# KiCad board OPDM.kicad_pcb (continued)
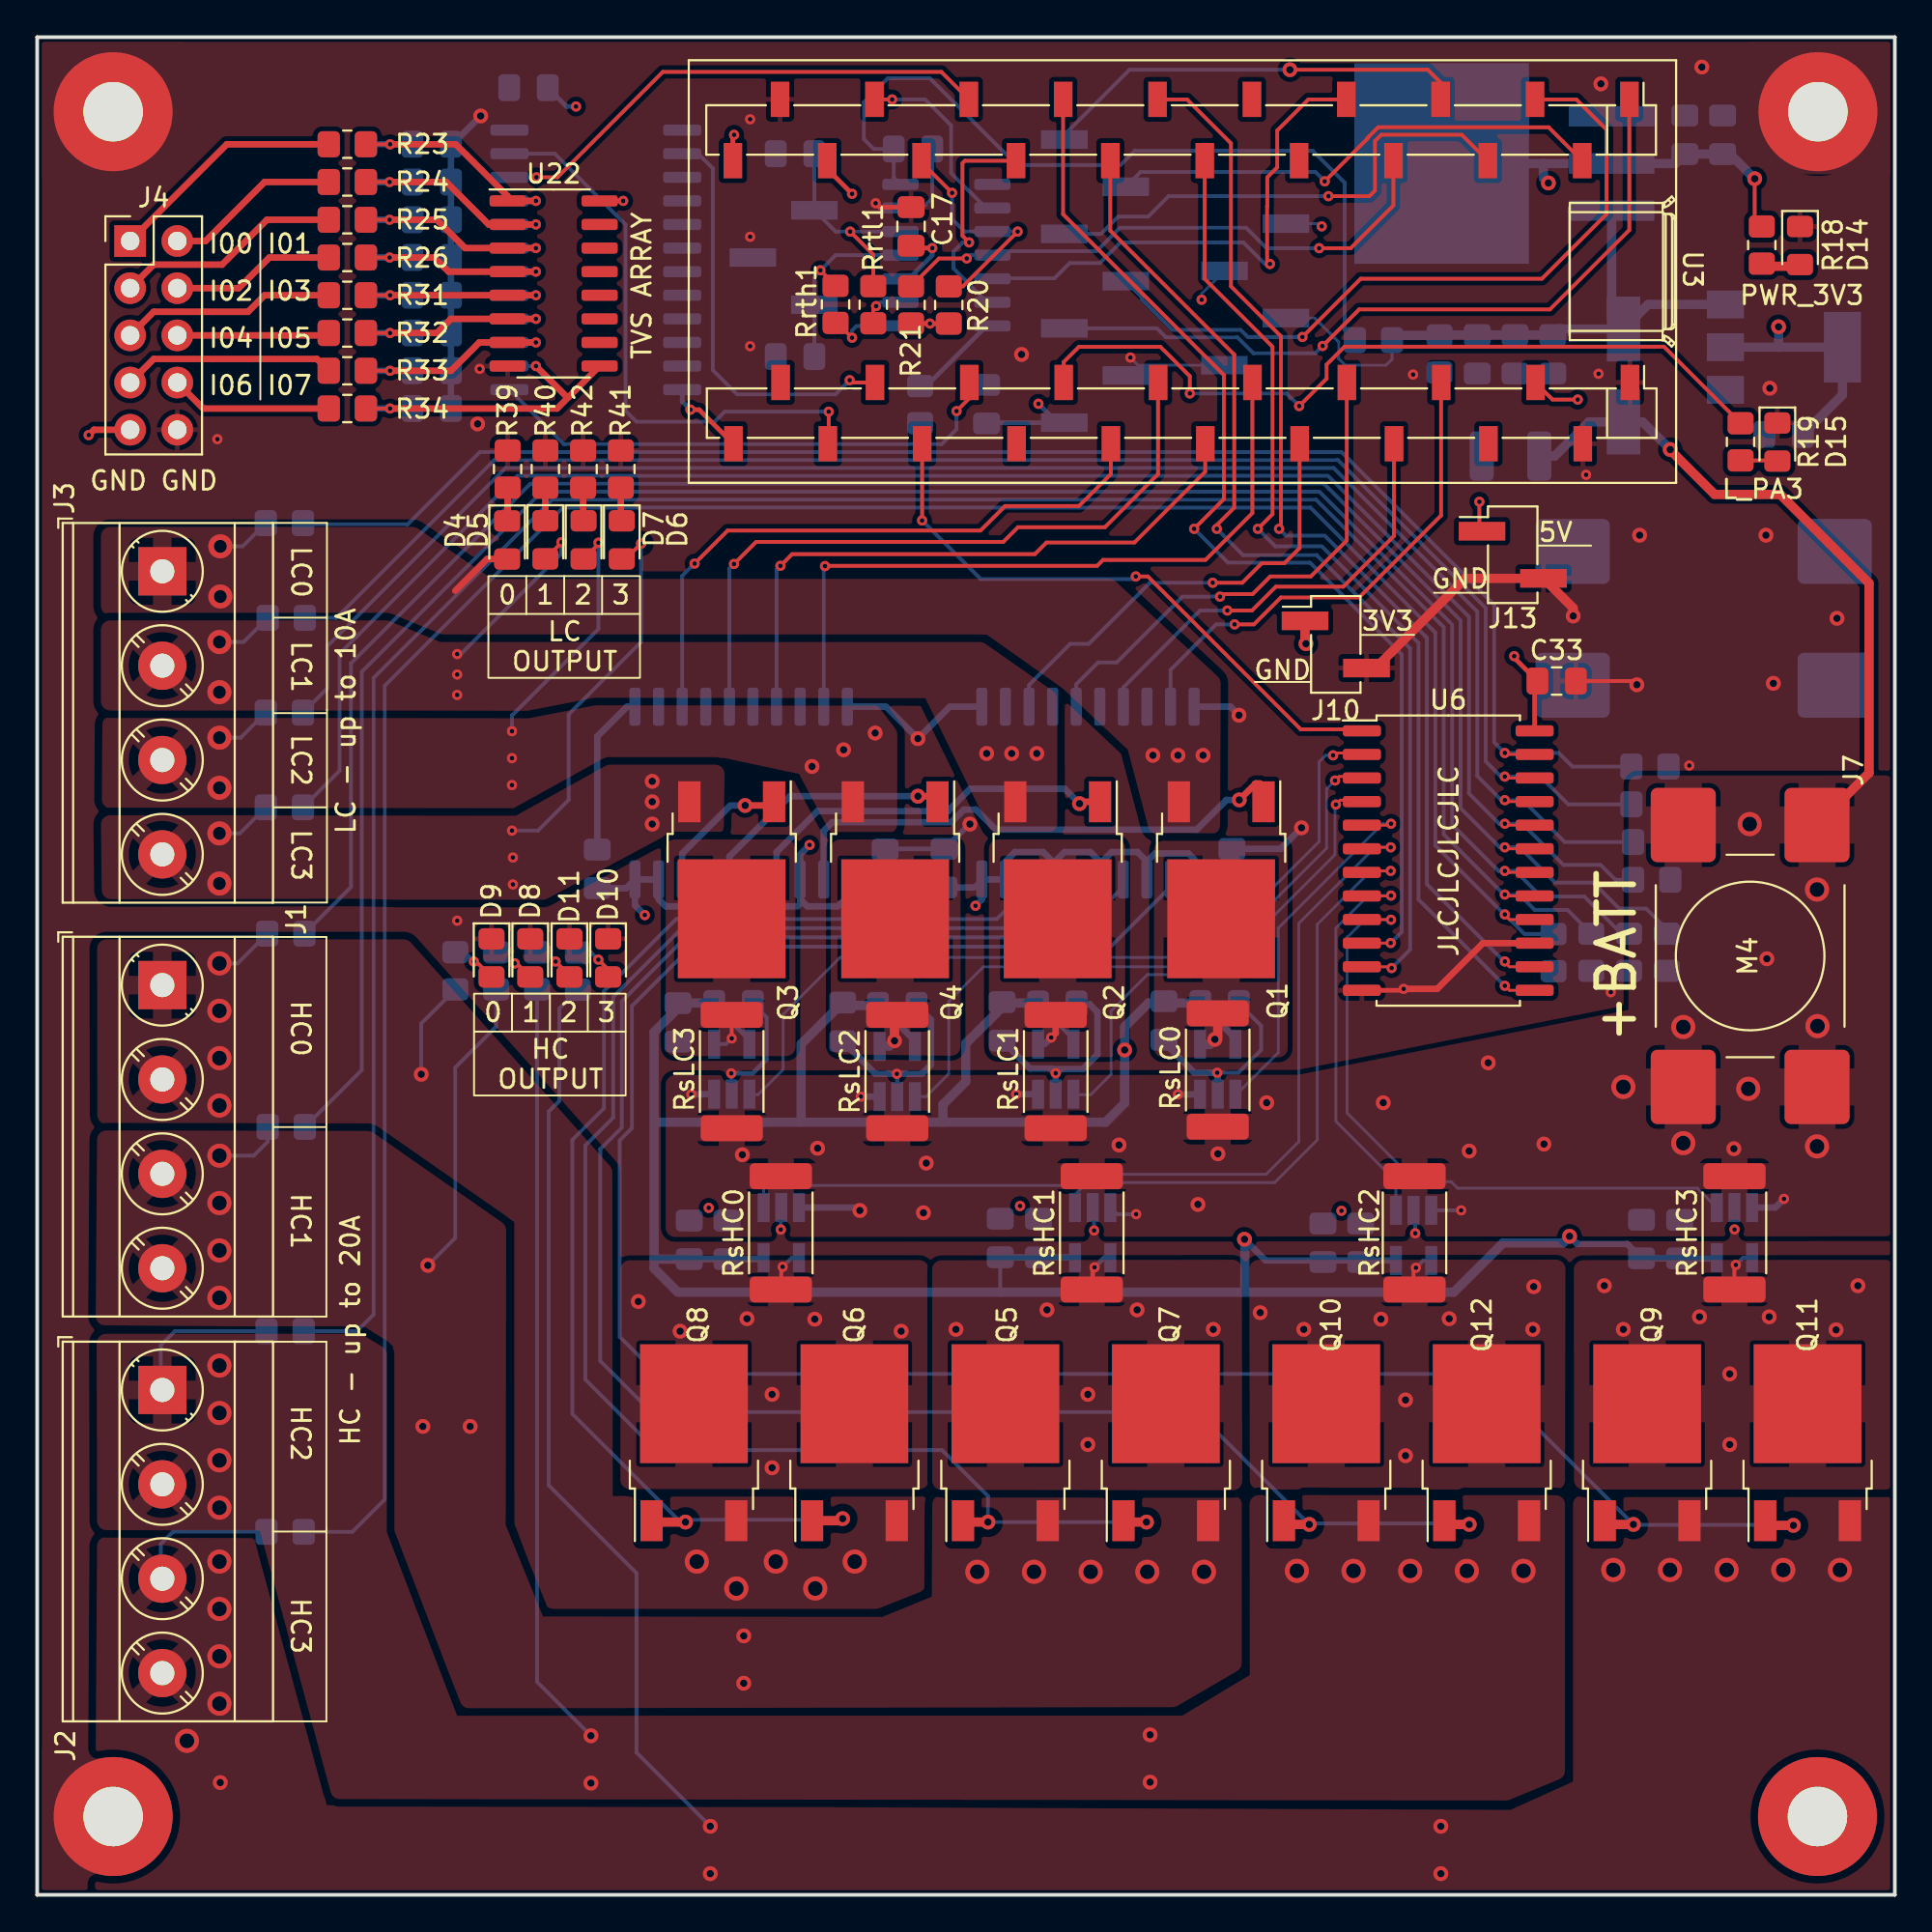
[diagram p0: board, top side]
## Nets
+3V3: C2.1 C7.1 C8.1 C9.1 C10.1 C11.1 C12.1 C13.1 C14.1 C18.1 C29.1 C33.1 C34.1 C35.1 C36.1 C37.1 C38.1 C39.1 C40.1 C41.1 J4.9 J5.1 J10.1 R18.2 R20.2 R21.2 U1.2 U3.20 U3.21 U3.38 U5.24 U6.24 U9.5 U10.5 U11.5 U12.5 U13.5 U14.5 U15.5 U16.5 U22.16
+5V: C4.1 C17.1 C23.1 J5.2 J9.1 J13.1 U2.10 U3.18 U4.2
+12V: C1.1 C3.1 C28.1 D13.1 J5.3 R1.1 Rp1.2 U1.3 U4.3
GND: C1.2 C2.2 C3.2 C4.2 C5.2 C6.2 C7.2 C8.2 C9.2 C10.2 C11.2 C12.2 C13.2 C14.2 C15.1 C16.1 C17.2 C18.2 C19.2 C20.2 C21.2 C22.2 C23.2 C24.2 C25.2 C26.2 C27.2 C28.2 C29.2 C30.1 C31.2 C32.2 C33.2 C34.2 C35.2 C36.2 C37.2 C38.2 C39.2 C40.2 C41.2 D8.1 D9.1 D10.1 D11.1 D12.1 D14.1 D15.1 H1.1 H2.1 H3.1 H4.1 J4.10 J5.4 J6.2 J8.1 J9.2 J10.2 J13.2 R4.2 R5.2 R8.2 R9.2 R12.2 R13.2 R16.2 R17.2 R27.2 R28.2 R29.2 R30.2 R35.2 R36.2 R37.2 R38.2 R39.1 R40.1 R41.1 R42.1 Rp1.1 Rs1.1 U1.1 U2.13 U3.19 U3.39 U3.40 U4.1 U5.12 U5.13 U5.15 U6.12 U6.15 U7.1 U7.10 U8.1 U8.10 U9.2 U10.2 U11.2 U12.2 U13.2 U14.2 U15.2 U16.2 U22.8
+BATT: C5.1 C6.1 C31.1 C32.1 D12.2 D13.2 J7.1 RsHC0.1 RsHC1.1 RsHC2.1 RsHC3.1 RsLC0.1 RsLC1.1 RsLC2.1 RsLC3.1 U7.11 U7.13 U7.15 U7.17 U7.19 U7.20 U8.11 U8.13 U8.15 U8.17 U8.19 U8.20 U9.3 U10.3 U11.3 U12.3 U13.3 U14.3 U15.3 U16.3
/INTERNAL_LED: U3.22
/PA2: U3.27
/RST: U3.37
/SENSE-_HC0: Q6.2 Q8.2 RsHC0.2 U14.4
/SENSE-_HC1: Q5.2 Q7.2 RsHC1.2 U13.4
/SENSE-_HC2: Q10.2 Q12.2 RsHC2.2 U16.4
/SENSE-_HC3: Q9.2 Q11.2 RsHC3.2 U15.4
/SENSE-_LC0: Q1.2 RsLC0.2 U9.4
/SENSE-_LC1: Q2.2 RsLC1.2 U10.4
/SENSE-_LC2: Q4.2 RsLC2.2 U11.4
/SENSE-_LC3: Q3.2 RsLC3.2 U12.4
/STATUS_LED: R19.2 U3.28
CANB_EN: U2.6 U3.14
CANB_ERR: R21.1 U2.4 U3.6
CANB_RX: R20.1 U2.3 U3.16
CANB_STB: U2.5 U3.7
CANB_TX: U2.2 U3.17
CANC_INTERRUPT: J9.7 U3.5
CURRENT_SENS_HC0: U6.6 U14.1
CURRENT_SENS_HC1: U6.7 U13.1
CURRENT_SENS_HC2: U6.8 U16.1
CURRENT_SENS_HC3: U6.9 U15.1
CURRENT_SENS_LC0: U6.5 U9.1
CURRENT_SENS_LC1: U6.4 U10.1
CURRENT_SENS_LC2: U6.3 U11.1
CURRENT_SENS_LC3: U6.2 U12.1
CURRENT_VOLTAGE_SENS: U3.25 U6.1
GATE_HC0: Q6.1 Q8.1 U7.18
GATE_HC0_SIG: U3.34 U7.5
GATE_HC1: Q5.1 Q7.1 U7.16
GATE_HC1_SIG: U3.33 U7.3
GATE_HC2: Q10.1 Q12.1 U7.14
GATE_HC2_SIG: U3.36 U7.9
GATE_HC3: Q9.1 Q11.1 U7.12
GATE_HC3_SIG: U3.35 U7.7
GATE_LC0: Q1.1 U8.12
GATE_LC0_SIG: U3.29 U8.3
GATE_LC1: Q2.1 U8.14
GATE_LC1_SIG: U3.30 U8.5
GATE_LC2: Q4.1 U8.16
GATE_LC2_SIG: U3.31 U8.7
GATE_LC3: Q3.1 U8.18
GATE_LC3_SIG: U3.32 U8.9
INPUT_00: J4.1 R23.1
INPUT_01: J4.2 R24.1
INPUT_02: J4.3 R25.1
INPUT_03: J4.4 R26.1
INPUT_04: J4.5 R31.1
INPUT_05: J4.6 R32.1
INPUT_06: J4.7 R33.1
INPUT_07: J4.8 R34.1
INPUT_PIN00: C19.1 R23.2 R27.1 U5.9 U22.1
INPUT_PIN01: C20.1 R24.2 R28.1 U5.8 U22.2
INPUT_PIN02: C21.1 R25.2 R29.1 U5.7 U22.3
INPUT_PIN03: C22.1 R26.2 R30.1 U5.6 U22.4
INPUT_PIN04: C24.1 R31.2 R35.1 U5.5 U22.5
INPUT_PIN05: C25.1 R32.2 R36.1 U5.4 U22.6
INPUT_PIN06: C26.1 R33.2 R37.1 U5.3 U22.7
INPUT_PIN07: C27.1 R34.2 R38.1 U5.2 U22.9
LOAD_HC0: J1.1 J1.2 Q6.3 Q8.3 R11.1 R44.2
LOAD_HC1: J1.3 J1.4 Q5.3 Q7.3 R10.1 R43.2
LOAD_HC2: J2.1 J2.2 Q10.3 Q12.3 R15.1 R46.2
LOAD_HC3: J2.3 J2.4 Q9.3 Q11.3 R14.1 R45.2
LOAD_LC0: D4.2 J3.1 Q1.3 R2.1
LOAD_LC1: D5.2 J3.2 Q2.3 R3.1
LOAD_LC2: D7.2 J3.3 Q4.3 R7.1
LOAD_LC3: D6.2 J3.4 Q3.3 R6.1
MUX_CUR_SENSE_A0: U3.13 U6.10
MUX_CUR_SENSE_A1: U3.12 U6.11
MUX_CUR_SENSE_A2: U3.11 U6.14
MUX_CUR_SENSE_A3: U3.10 U6.13
MUX_INPUTS_A0: U3.15 U5.10
MUX_INPUTS_A1: U3.23 U5.11
MUX_INPUTS_A2: U3.24 U5.14
O_CANBH: C30.2 J6.3 Rrth1.2 U2.11
O_CANBL: C16.2 J6.1 Rrtl1.2 U2.12
PDM_AD_INPUTS: U3.26 U5.1
SPI_CANC_SS: J9.3 U3.1
SPI_MISO: J9.4 U3.3
SPI_MOSI: J9.5 U3.4
SPI_SCLK: J9.6 U3.2
USB+: U3.9
USB-: U3.8
V_SENSE_HC0: R11.2 R13.1 U6.19
V_SENSE_HC1: R10.2 R12.1 U6.18
V_SENSE_HC2: R15.2 R17.1 U6.17
V_SENSE_HC3: R14.2 R16.1 U6.16
V_SENSE_LC0: R2.2 R4.1 U6.23
V_SENSE_LC1: R3.2 R5.1 U6.22
V_SENSE_LC2: R7.2 R9.1 U6.21
V_SENSE_LC3: R6.2 R8.1 U6.20
Net-(C15-Pad2): C15.2 R1.2 U2.14
Net-(D4-Pad1): D4.1 R39.2
Net-(D5-Pad1): D5.1 R40.2
Net-(D6-Pad1): D6.1 R41.2
Net-(D7-Pad1): D7.1 R42.2
Net-(D8-Pad2): D8.2 R43.1
Net-(D9-Pad2): D9.2 R44.1
Net-(D10-Pad2): D10.2 R45.1
Net-(D11-Pad2): D11.2 R46.1
Net-(D14-Pad2): D14.2 R18.1
Net-(D15-Pad2): D15.2 R19.1
Net-(Rrth1-Pad1): Rrth1.1 U2.8
Net-(Rrtl1-Pad1): Rrtl1.1 U2.9
Net-(Rs1-Pad2): Rs1.2 U2.7

Pads without a net: U2 1; U5 16 17 18 19 20 21 22 23; U7 2 4 6 8; U8 2 4 6 8; U22 10 11 12 13 14 15

## Via types
v1: diameter 0.55, hole 0.25, Top to Bottom, 142 vias
v2: diameter 0.8, hole 0.4, Top to Bottom, 110 vias
v3: diameter 1.3, hole 0.8, Top to Bottom, 45 vias
v4: diameter 1.3, hole 0.7, Top to Bottom, 8 vias

## Routing (per net, layer and track width the routed paths; a pad name or vN(x,y) marks a point on that pad's centre or on a via; arc(x,y) is an arc through that point)
+3V3: length 209.5
  Top w0.203: v2(92.46,92.38) 92.46,90.19 R18.2 ; v1(82.93,80.49) 81.57,80.49 80.66,81.41
  Top w0.25: U6.24 80.61,65.19 C33.1 79.51,66.59 v1(79.51,66.68) ; 37.48,78.11 35.64,79.95 v1(35.17,79.95) ; U22.16 v1(31.55,91.19) ; R21.2 v1(48.06,84.58) R20.2 ; 37.52,94.61 v1(37.52,94.74) 37.45,94.54 37.45,93.35
  Top w0.35: v1(2.77,78.58) 3.06,78.87 J4.9
  Top w0.5: v2(68.3,67.35) 68.25,67.4 J10.1
  Bottom w0.15: J5.1 69.01,89.96 v1(69.15,89.82)
  Bottom w0.203: 90.38,34.26 U15.5 ; C9.1 55.78,46.05 U10.5 ; 88.41,34.26 C38.1 ; 51.84,32.46 C34.1 51.85,34.32 ; 55.85,34.32 U13.5 ; U9.5 64.5,46.09
  Bottom w0.25: v1(35.17,79.95) 34.72,80.39 U5.24 ; C18.1 28.5,96.27 v1(29.01,96.27) ; 36.45,47.9 38.34,46.02 U12.5 ; 39.03,34.22 U14.5
  Bottom w0.35: C38.1 90.38,34.26 ; C35.1 C37.1 39.03,34.22 ; U11.5 47.25,45.97 45.34,47.88 C14.1 ; 51.85,34.32 C36.1 55.85,34.32 ; 88.41,34.26 C40.1 85.58,35.04 82.9,35.04 v2(82.49,35.45) ; v2(64.99,35.29) 66.13,34.15 U16.5 ; 64.5,46.09 C11.1
  Bottom w0.5: 33.21,34.22 C35.1 ; 57.52,41.59 38.86,41.59 ; 41.12,41.59 41.12,45.8 43.21,47.88 45.22,47.88 ; 62.49,48.01 59.82,48.01 58.54,46.73 v2(58.54,45.48) 58.54,42.62 57.51,41.59 ; 64.86,32.44 76.26,32.44 78.91,35.09 82.13,35.09 v2(82.49,35.45) ; 48.76,41.59 48.76,42.55 49.99,43.77 49.99,45.83 51.18,47.02 51.19,47.02 52.17,48.01 53.75,48.01 ; 81.08,93.2 U1.2 ; 81.08,93.2 U1.2 88.19,93.2 88.7,93.71 91.13,93.71 v2(92.46,92.38) ; 81.08,93.2 81.08,92.42 v2(81.35,92.15) ; 39.11,41.59 33.31,41.59 ; 34.45,32.48 33.21,33.72 33.21,46.45 34.77,48.01 36.35,48.01 ; v2(64.99,35.29) 65.01,35.27 65.01,32.49 ; 34.51,32.44 64.81,32.44
+5V: length 27.5
  Top w0.203: J13.1 77.64,73.55 v1(77.64,74.99)
  Top w0.25: v1(48.18,88.65) 47.17,88.65 47.04,88.77 ; v1(43.87,91.57) 42.53,92.91 42.53,93.35
  Bottom w0.15: J5.2 62.69,86.19 v1(62.69,85.86)
  Bottom w0.25: v1(48.18,88.65) 48.18,88.27 46.91,87 U2.10 ; 51.74,79.2 51.78,79.25 54.91,79.25 54.91,79.25 v1(53.9,80.26)
  Bottom w0.5: 93.74,83.31 U4.2 97.18,80.75 C4.1 ; 93.74,83.31 v2(93.74,84.41) ; 93.74,83.31 U4.2
+12V: length 33.8
  Bottom w0.15: J5.3 68.77,84.88 70.06,83.59 70.06,82.69 70.41,82.34 72.61,82.34 72.93,82.66 R1.1
  Bottom w0.5: D13.1 84.75,84.93 U1.3 ; D13.1 86.72,85.61 U4.3 ; D13.1 81.9,84.29 C28.1 C1.1 C3.1 75.51,83.97 Rp1.2 73.19,83.95 R1.1
GND: length 131.8
  Top w0.203: v2(86.11,65.14) 85.91,65.34 C33.2
  Top w0.25: v1(73.56,48.77) 73.48,48.69 U6.12 ; C17.2 45.35,90.85 v1(45.14,91.06)
  Top w0.35: v1(73.56,48.77) 75.36,48.77 77.82,51.23 U6.15
  Top w0.5: J10.2 72.05,66.04 76.88,70.87 J13.2 82.69,69.27 v2(82.69,68.84)
  Bottom w0.15: v1(58.85,82.75) 59.27,82.34 J5.4
  Bottom w0.203: v1(37.36,44.22) 37.39,44.2 U12.2 ; C11.2 65.89,46.78 65.89,45.48 64.66,44.25 v1(63.52,44.25) ; U13.2 56.9,36.92 v1(56.9,35.76) ; 39.27,44.98 39.27,47.24 C13.2 ; v1(46.28,44.2) 46.3,44.18 U11.2 ; C15.1 48.18,91.34 47.65,90.8 46.47,90.8 ; v1(74.18,35.61) 74.18,36.76 U16.2 ; U14.2 40.03,36.97 v1(40.03,35.81)
  Bottom w0.25: C31.2 50.16,57.64 v2(50.21,57.64) 48.87,56.3 45.68,56.3 C32.2 ; v1(37.36,44.22) 38.51,44.22 39.27,44.98 ; 46.47,90.8 45.39,90.8 v1(45.14,91.06)
  Bottom w0.35: U8.10 45.69,63.96 v2(47.41,62.24) 49.13,63.96 U7.1 ; v1(54.83,44.23) 54.58,44.48 53.45,44.48 C7.2 ; v1(54.83,44.23) 54.61,44.45 56.28,44.45 57.07,45.24 57.07,47.52 56.64,47.96 C9.2 ; v1(54.83,44.23) U10.2 ; C27.2 C26.2 C25.2 C24.2 C22.2 C20.2 C19.2 22.28,94.43 ; v2(64.69,63.5) 64.23,63.96 U7.10 ; C8.2 60.66,45.89 62.29,44.25 v1(63.52,44.25) 63.55,44.23 U9.2 ; C6.2 66.92,56.3 v2(68.06,57.44) ; U8.1 31.75,63.96 30.15,62.36 C5.2 ; C12.2 45.12,44.2 v1(46.28,44.2) 47.63,44.2 48.11,44.68 48.11,47.1 C14.2 ; 22.55,94.43 v2(23.88,95.76)
  vias: v1(9.7,78.36) v1(22.61,52.44) v1(23.82,82.14) v1(36.15,36.98) v1(38.38,95.58) v1(38.38,89.26) v1(38.38,83.36) v1(52.91,37.08) v1(70.21,36.82) v1(74.07,81.84) v1(83.38,76.44) v1(84.05,81.88) v1(84.71,48.59) v1(88.94,60.79) v1(91.37,35.82) v2(23.71,79.18) v2(52.99,82.92) v2(84.18,97.49) v2(86.26,73.19) v2(89.61,98.39) v2(93.06,73.19) v2(93.27,81.1) v2(93.46,65.22) v2(96.89,68.72)
+BATT: length 106.1
  Top w0.5: v2(87.91,77.8) 87.91,77.77 90.3,75.39 93.83,75.39 98.61,70.61 98.61,60.39 J7.1
  Bottom w0.203: v1(59.16,36.64) 59.15,36.63 58.13,36.63 U13.3 ; v1(76.65,36.85) U16.3
  Bottom w0.25: 48.78,54.19 C31.1 ; 57.2,55.5 U7.15 57.2,55.63 ; 54.66,55.5 U7.17 54.66,55.63 ; U7.19 52.12,55.63 ; 41.07,53.34 40.95,53.21 ; 50.42,54.23 U7.20 ; U8.15 38.53,53.66 ; 43.61,53.72 U8.11
  Bottom w0.35: v1(94.03,37.47) 93.56,37 U15.3 ; 59.74,55.63 U7.13 ; 59.74,55.63 60.18,56.06 61.97,56.06 62.28,55.75 U7.11 62.71,54.23 C6.1 ; 59.74,55.63 59.23,56.13 57.84,56.13 57.2,55.5 ; U8.11 43.92,54.36 45.48,54.36 C32.1 48.78,54.19 ; U12.3 35.78,43.1 35.78,43.09 v1(35.21,43.09) ; v2(44.28,36.84) 44.13,37 U14.3 ; 35.99,53.72 U8.17 ; 35.99,53.72 36.5,53.21 38.09,53.21 38.53,53.66 ; 35.99,53.72 35.48,53.21 33.83,53.21 33.45,53.59 U8.19 U8.20 ; 43.61,53.72 43.1,53.21 41.45,53.21 41.07,53.59 ; 57.2,55.63 56.69,56.13 55.3,56.13 54.66,55.5 ; U7.19 U7.20 50.85,53.58 v1(50.51,53.24) ; C5.1 31.71,54.19 U8.20 ; U8.15 38.53,53.47 38.79,53.21 40.95,53.21 ; U9.3 62.59,43.09 v1(61.41,43.09) ; U8.20 32.18,53.27 v1(32.71,52.74) ; v1(44.34,42.97) U11.3 ; C31.1 50.42,54.23 ; 54.66,55.63 54.15,56.13 52.63,56.13 52.12,55.63 ; v1(41.58,56.52) 41.07,56.01 U8.13 41.07,53.34 ; v1(52.7,43.1) U10.3
  Bottom w0.5: v2(87.91,77.8) 86.42,79.29 D13.2 83.53,79.29 81.69,77.45 D12.2
  vias: v2(37.96,39.84) v2(42.01,40.19) v2(47.71,36.72) v2(47.86,39.39) v2(58.23,40.36) v2(62.48,37.16) v2(63.56,39.89) v2(66.19,42.64) v2(72.46,42.64) v2(77.09,40.04) v2(78.11,44.79) v2(81.11,40.41) v2(91.34,40.16) v2(93.11,50.39) v3(85.39,43.49) v3(88.61,46.72) v3(88.61,40.47) v3(92.11,43.39) v3(92.19,57.64) v3(95.81,54.11) v3(95.84,46.77) v3(95.81,40.29)
/SENSE-_HC0: length 2.3
  Top w0.203: v1(40.13,33.81) 40.06,33.73 40.06,32.6
  Bottom w0.203: v1(40.13,33.81) 40.62,34.3 U14.4
  vias: v2(32.36,31.94) v2(34.61,30.34) v2(38.21,31.02) v2(39.56,26.94) v2(39.56,22.99) v2(41.86,30.99) v2(46.51,30.34)
/SENSE-_HC1: length 2.3
  Top w0.25: v1(56.92,33.78) 56.82,33.68 56.82,32.6
  Bottom w0.25: U13.4 57.44,34.3 v1(56.92,33.78)
  vias: v2(49.46,30.44) v2(54.36,31.49) v2(56.56,26.94) v2(56.56,24.24) v2(59.21,31.49) v2(63.31,30.44)
/SENSE-_HC2: length 2.2
  Top w0.203: 74.09,32.6 74.09,33.63 v1(74.22,33.76)
  Bottom w0.203: U16.4 74.61,34.15 v1(74.22,33.76)
  vias: v2(65.84,31.34) v2(68.19,30.44) v2(72.34,30.99) v2(73.66,26.64) v2(73.66,23.64) v2(76.01,31.02) v2(80.51,30.44) v2(80.56,32.74)
/SENSE-_HC3: length 2.4
  Top w0.203: 91.36,32.6 91.36,33.83 v1(91.44,33.91)
  Bottom w0.203: v1(91.44,33.91) 91.83,34.3 U15.4
  vias: v2(84.36,32.79) v2(85.39,30.44) v2(89.48,31.11) v2(91.11,28.04) v2(91.11,24.24) v2(93.23,31.11) v2(96.84,30.41) v2(98.01,32.79)
/SENSE-_LC0: length 2.4
  Top w0.5: v2(63.4,46.05) 63.55,46.2 RsLC0.2
  Bottom w0.5: 62.6,45.78 63.12,45.78 v2(63.4,46.05)
/SENSE-_LC1: length 2.2
  Top w0.35: v1(54.59,46.15) 54.83,46.39 RsLC1.2
  Bottom w0.35: v1(54.59,46.15) 54.26,45.82 53.88,45.82
/SENSE-_LC2: length 2.4
  Top w0.5: v2(46.15,45.97) 46.15,47.22 RsLC2.2
  Bottom w0.5: 45.35,45.69 45.87,45.69 v2(46.15,45.97)
/SENSE-_LC3: length 2.3
  Top w0.203: RsLC3.2 37.39,46.1 v1(37.39,46.1)
  Top w0.5: 37.39,47.37 RsLC3.2
  Bottom w0.203: U12.4 37.09,45.8 v1(37.39,46.1)
/STATUS_LED: length 43.2
  Top w0.203: 55.26,81.41 55.26,82.51 56.08,83.33 60.47,83.33 62.05,81.75 v1(62.05,80.82) ; v1(67.94,80.14) 69.41,81.61 69.41,82.37 70.37,83.34 87.57,83.34 R19.2
  Bottom w0.203: v1(62.05,80.82) 67.25,80.82 v1(67.94,80.14)
CANB_EN: length 12.1
  Top w0.203: 52.69,93.35 49.94,93.35 49.81,93.22 49.81,89.31 v1(50.17,88.95)
  Bottom w0.203: v1(50.17,88.95) 49.82,88.95 49.33,88.46 49.33,87.54 51.14,85.72 51.42,85.72
CANB_ERR: length 31.1
  Top w0.203: 73.01,93.35 73.01,90.94 70.71,88.64 v1(69.01,88.64) ; R21.1 48.55,88.09 v1(50.04,88.09)
  Bottom w0.203: v1(69.01,88.64) 66.18,88.64 65.08,89.74 58.29,89.74 57.03,88.48 51.64,88.48 51.42,88.27 50.22,88.27 v1(50.04,88.09)
CANB_RX: length 12.8
  Top w0.203: v1(49.25,91.62) 47.61,93.26 47.61,93.35 ; R20.1 49.08,86.59 49.84,86.59 v1(52.78,89.53)
  Bottom w0.203: 51.42,89.53 51.7,89.53 ; 51.7,89.53 49.91,89.53 49.25,90.2 v1(49.25,91.62) ; 51.7,89.53 v1(52.78,89.53)
CANB_STB: length 28.1
  Top w0.203: 70.47,96.65 68.43,96.65 66.75,94.97 66.75,92.99 66.22,92.46 66.22,90.91 66.21,90.9 66.21,87.94 v1(66.36,87.79)
  Bottom w0.203: 51.42,87 51.45,87.02 54.76,87.02 55.58,87.84 57.21,87.84 58.32,88.95 64.93,88.95 66.09,87.79 v1(66.36,87.79)
CANB_TX: length 10.3
  Top w0.203: v1(46.03,96.65) 46.02,96.65 45.07,96.65
  Bottom w0.203: 51.42,90.8 51.08,90.8 49.2,92.68 49.2,95.25 47.8,96.65 v1(46.03,96.65)
CANC_INTERRUPT: length 23.2
  Top w0.203: v2(67.44,98.25) 74.85,98.25 75.55,97.56 75.55,96.65
  Bottom w0.203: v2(67.44,98.25) 58.8,98.25 55.29,94.74 J9.7
CURRENT_SENS_HC0: length 50.8
  Top w0.152: v1(72.86,56.39) 71.39,56.39 U6.6
  Bottom w0.152: U14.1 39.11,37.99 39.31,38.19 55.61,38.19 56.21,38.79 66.16,38.79 67.91,40.54 67.91,52.29 72.01,56.39 v1(72.86,56.39)
CURRENT_SENS_HC1: length 33.3
  Top w0.152: U6.7 71.39,55.12 v1(72.86,55.12)
  Bottom w0.152: v1(72.86,55.12) 71.79,55.12 68.91,52.24 68.91,40.64 66.61,38.34 56.5,38.34 55.87,37.7 U13.1
CURRENT_SENS_HC2: length 21.8
  Top w0.152: U6.8 72.86,53.77 v1(72.88,53.79)
  Bottom w0.152: v1(72.88,53.79) 71.66,53.79 69.91,52.04 69.91,41.64 73.14,38.41 U16.1
CURRENT_SENS_HC3: length 35.8
  Top w0.152: v1(72.88,52.49) 72.87,52.5 U6.9
  Bottom w0.152: v1(72.88,52.49) 71.46,52.49 70.51,51.54 70.51,42.09 74.21,38.39 76.11,38.39 76.46,38.04 89.37,38.04 U15.1
CURRENT_SENS_LC0: length 20
  Top w0.152: U6.5 72.8,57.58 v1(72.88,57.66)
  Bottom w0.152: v1(72.88,57.66) 72.43,57.66 66.81,52.04 66.81,45.34 64.5,43.03
CURRENT_SENS_LC1: length 25.7
  Top w0.152: U6.4 71.23,58.93 70.15,58.93 v1(69.91,58.69)
  Bottom w0.152: 55.78,43.07 56.71,43.07 57.81,44.17 57.81,47.58 59.77,49.54 63.41,49.54 69.86,55.99 69.86,58.64 v1(69.91,58.69)
CURRENT_SENS_LC2: length 35.4
  Top w0.152: U6.3 71.23,60.2 70.08,60.2 v1(69.87,59.98)
  Bottom w0.152: v1(69.87,59.98) 69.41,59.53 69.41,56.34 63.03,49.96 50.94,49.96 49.07,48.09 49.07,44.2 47.85,42.97 U11.1
CURRENT_SENS_LC3: length 44.9
  Top w0.152: U6.2 71.23,61.47 69.89,61.47 v1(69.76,61.34)
  Bottom w0.152: 38.34,43.07 38.81,43.07 40.16,44.42 40.16,47.4 43.22,50.46 62.77,50.46 69.01,56.7 69.01,60.99 69.36,61.34 v1(69.76,61.34)
CURRENT_VOLTAGE_SENS: length 32.6
  Top w0.152: 71.23,62.74 U6.1
  Top w0.203: 71.23,62.74 68.02,62.74 59.79,70.97 v1(59.14,70.97) ; v1(47.64,73.98) 47.64,78.11
  Bottom w0.203: v1(59.14,70.97) 59,70.83 50.79,70.83 v1(47.64,73.98)
GATE_HC0: length 69.6
  Top w0.5: Q8.1 33.15,20.07 v2(34.9,20.07) ; v2(43.36,20.25) 43.25,20.14 Q6.1
  Bottom w0.203: U7.18 53.39,54.26 51.66,52.53 34.4,52.53 30.51,48.64 30.51,42.34 28.81,40.64 28.81,25.89 34.63,20.07 v2(34.9,20.07) 35.02,20.19 43.3,20.19 v2(43.36,20.25)
GATE_HC0_SIG: length 27.3
  Top w0.203: 63.75,70.02 65.43,70.02 66.38,70.97 68.56,70.97 70.5,72.91 70.5,81.41
  Bottom w0.203: U7.5 55.93,65.16 57.11,66.34 58.11,66.34 61.65,69.88 v1(63.67,69.88)
GATE_HC1: length 85.8
  Top w0.5: v2(59.72,20.07) 58.55,20.07 Q7.1 ; v2(51.18,20.07) 49.91,20.07 Q5.1
  Bottom w0.203: U7.16 55.93,54.26 53.71,52.04 34.71,52.04 31.01,48.34 31.01,41.84 29.51,40.34 29.51,27.74 33.31,23.94 48.71,23.94 51.18,21.47 v2(51.18,20.07) 51.18,20.06 59.71,20.06 v2(59.72,20.07)
GATE_HC1_SIG: length 24.4
  Top w0.203: v1(63.28,70.63) 64.87,70.63 65.92,71.68 67.14,71.68 67.96,72.5 67.96,78.11
  Bottom w0.203: U7.3 53.39,65.12 55.61,67.34 56.61,67.34 59.9,70.63 v1(63.28,70.63)
GATE_HC2: length 103.1
  Top w0.5: v2(77.09,19.94) 75.95,19.94 Q12.1 ; Q10.1 67.31,19.94 v2(68.48,19.94)
  Bottom w0.203: v2(77.09,19.94) 77.04,19.99 68.53,19.99 v2(68.48,19.94) 62.43,25.99 33.06,25.99 30.31,28.74 30.31,40.14 31.47,41.3 31.47,48.1 34.91,51.54 55.75,51.54 58.47,54.26 U7.14
GATE_HC2_SIG: length 27.1
  Top w0.203: v1(64.46,68.39) 65.5,68.39 66.95,69.84 71.16,69.84 75.58,74.25 75.58,81.41
  Bottom w0.203: v1(64.46,68.39) 63.46,68.39 61.01,65.94 U7.9
GATE_HC3: length 120.8
  Top w0.5: v2(85.93,19.94) 84.59,19.94 Q9.1 ; Q11.1 93.27,19.89 v2(94.54,19.89)
  Bottom w0.203: v2(94.54,19.89) 94.51,19.91 85.95,19.91 v2(85.93,19.94) 77.83,28.04 33.36,28.04 31.36,30.04 31.36,40.62 32.02,41.27 32.02,47.85 35.21,51.04 57.79,51.04 61.01,54.26 U7.12
GATE_HC3_SIG: length 23.9
  Top w0.203: 73.04,78.11 73.04,73.15 70.31,70.42 66.68,70.42 65.4,69.14 v1(64.07,69.14)
  Bottom w0.203: v1(64.07,69.14) 62.61,69.14 58.47,65 U7.7
GATE_LC0: length 28.1
  Top w0.35: v2(64.71,58.94) 65.6,59.83 65.83,59.83
  Bottom w0.35: v2(64.71,58.94) 64.02,58.94 62.42,57.34 51.61,57.34 50.53,58.42 49.89,58.42 49.21,57.74 42.81,57.74 42.34,57.28 U8.12
GATE_LC0_SIG: length 34
  Top w0.203: v1(35.39,71.66) 37.17,73.44 50.78,73.44 52.1,74.76 56.08,74.76 57.8,76.48 57.8,78.11
  Bottom w0.203: v1(35.39,71.66) 34.72,70.99 U8.3
GATE_LC1: length 20.7
  Top w0.35: v2(56.11,58.74) 56.21,58.84 Q2.1
  Bottom w0.35: v2(56.11,58.74) 55.31,59.54 50.23,59.54 49.03,58.34 42.01,58.34 39.8,56.13 U8.14
GATE_LC1_SIG: length 37.5
  Top w0.203: 60.34,81.41 60.34,76.48 57.48,73.62 52.8,73.62 52.01,72.83 38.7,72.83 v1(37.51,71.64)
  Bottom w0.203: v1(37.51,71.64) 37.26,71.39 U8.5
GATE_LC2: length 13.9
  Top w0.35: Q4.1 48.17,59.14 v2(47.41,59.14)
  Bottom w0.35: v2(47.41,59.14) 40.51,59.14 37.26,55.89 U8.16
GATE_LC2_SIG: length 34.1
  Top w0.203: 62.88,78.11 62.88,76.61 59.07,72.8 54.33,72.8 53.71,72.17 40.64,72.17 v1(40.01,71.54)
  Bottom w0.203: v1(40.01,71.54) 39.8,71.33 U8.7
GATE_LC3: length 7.5
  Top w0.35: Q3.1 39.47,58.64 v2(38.11,58.64)
  Bottom w0.35: v2(38.11,58.64) 37.31,58.64 34.72,56.05 U8.18
GATE_LC3_SIG: length 38.8
  Top w0.203: 65.42,81.41 65.42,74.38 62.89,71.86 57.38,71.86 57.06,71.54 42.42,71.54 v1(42.41,71.53)
  Bottom w0.203: U8.9 42.34,71.46 v1(42.41,71.53)
INPUT_00: length 12.8
  Top w0.35: J4.1 10.21,94.23 R23.1
INPUT_01: length 9.5
  Top w0.35: J4.2 9.07,89.03 12.24,92.2 R24.1
INPUT_02: length 12.2
  Top w0.35: J4.3 6.27,87.76 9.96,87.76 12.37,90.17 R25.1
INPUT_03: length 8.8
  Top w0.35: R26.1 12.5,88.14 10.85,86.49 J4.4
INPUT_04: length 11.6
  Top w0.35: R31.1 12.24,86.11 11.35,85.22 6.27,85.22 J4.5
INPUT_05: length 8.2
  Top w0.35: J4.6 15.57,83.95 R32.1
INPUT_06: length 11.5
  Top w0.35: R33.1 15.06,82.68 6.27,82.68 J4.7
INPUT_07: length 8.7
  Top w0.35: J4.8 8.94,80.01 R34.1
INPUT_PIN00: length 14.5
  Top w0.203: v1(19,94.23) R23.2
  Top w0.35: v1(19,94.23) 22.53,94.23 25.33,91.44 U22.1 v1(26.85,91.19)
  Bottom w0.203: U5.9 v1(26.85,91.19)
  Bottom w0.35: C19.1 v1(19,94.23) R27.1
INPUT_PIN01: length 14
  Top w0.203: R24.2 v1(18.97,92.2)
  Top w0.35: v1(18.97,92.2) 22.02,92.2 24.31,89.92 U22.2 v1(26.85,89.92)
  Bottom w0.203: U5.8 v1(26.85,89.92)
  Bottom w0.35: C20.1 v1(18.97,92.2) R28.1
INPUT_PIN02: length 13.7
  Top w0.203: R25.2 v1(18.97,90.17)
  Top w0.35: v1(18.97,90.17) 21.51,90.17 23.04,88.65 U22.3 v1(26.85,88.65)
  Bottom w0.203: U5.7 v1(26.85,88.65)
  Bottom w0.35: R29.1 v1(18.97,90.17) C21.1
INPUT_PIN03: length 13.4
  Top w0.203: R26.2 v1(18.97,88.14)
  Top w0.35: v1(18.97,88.14) 21.39,88.14 22.15,87.38 U22.4 v1(26.85,87.38)
  Bottom w0.203: U5.6 v1(26.85,87.38)
  Bottom w0.35: C22.1 v1(18.97,88.14) R30.1
INPUT_PIN04: length 13.1
  Top w0.203: R31.2 v1(19,86.11)
  Top w0.35: v1(19,86.11) U22.5 v1(26.85,86.11)
  Bottom w0.203: U5.5 v1(26.85,86.11)
  Bottom w0.35: C24.1 v1(19,86.11) R35.1
INPUT_PIN05: length 13.4
  Top w0.203: R32.2 v1(19,84.07)
  Top w0.35: v1(19,84.07) 21.51,84.07 22.28,84.84 U22.6 v1(26.85,84.84)
  Bottom w0.203: U5.4 v1(26.85,84.84)
  Bottom w0.35: C25.1 v1(19,84.07) 17.71,84.07
INPUT_PIN06: length 13.7
  Top w0.203: R33.2 v1(19,82.04)
  Top w0.35: v1(19,82.04) 22.28,82.04 23.8,83.57 U22.7 v1(26.85,83.57)
  Bottom w0.203: U5.3 v1(26.85,83.57)
  Bottom w0.35: R37.1 v1(19,82.04) C26.1
INPUT_PIN07: length 19.9
  Top w0.203: R34.2 v1(19,80.01)
  Top w0.35: v1(19,80.01) 27.99,80.01 28.64,80.66 ; 28.64,80.66 U22.9 ; 28.64,80.66 28.49,80.66 v1(26.85,82.3)
  Bottom w0.203: U5.2 v1(26.85,82.3)
  Bottom w0.35: C27.1 v1(19,80.01) R38.1
LOAD_HC0: length 8.6
  Bottom w0.203: v2(20.68,44.17) 20.68,46.91 R44.2 ; R11.1 10.79,50.14 v3(9.81,50.14)
  vias: v3(9.81,47.59) v3(9.81,45.04) v3(9.81,42.49) v3(35.51,17.94) v3(37.64,16.49) v3(39.76,17.94) v3(41.89,16.49) v3(44.01,17.94)
LOAD_HC1: length 20.1
  Bottom w0.203: R43.2 24.71,46.74 22.5,44.53 22.5,35.36 v2(21.03,33.88) ; v3(9.81,39.79) 11.66,39.79 12.41,40.54 R10.1
  vias: v2(20.76,25.22) v2(23.31,25.22) v2(38.03,13.94) v2(38.03,11.39) v3(9.81,37.24) v3(9.81,34.69) v3(9.81,32.14) v3(50.61,17.39) v3(53.66,17.39) v3(56.71,17.39) v3(59.76,17.39) v3(62.81,17.39)
LOAD_HC2: length 49.7
  Bottom w0.203: 6.65,27.18 6.65,29.58 7.41,30.34 R15.1 ; 26.91,48.69 26.91,11.47 v2(29.81,8.56)
  vias: v2(29.81,6.01) v2(59.91,8.62) v2(59.91,6.06) v3(9.81,28.49) v3(9.81,25.94) v3(9.81,23.39) v3(9.81,20.84) v3(67.81,17.44) v3(70.86,17.44) v3(73.91,17.44) v3(76.96,17.44) v3(80.01,17.44)
LOAD_HC3: length 57.1
  Bottom w0.203: v2(36.23,3.69) 32.26,7.66 32.26,17.32 27.54,22.05 27.54,42.16 28.11,42.74 28.11,47.72 R45.2 ; 6.65,17.02 6.65,18.88 7.31,19.54 R14.1
  vias: v2(9.86,6.05) v2(36.23,1.14) v2(75.56,3.69) v2(75.56,1.14) v3(8.06,8.29) v3(9.81,17.94) v3(9.81,15.39) v3(9.81,12.84) v3(9.81,10.29) v3(84.84,17.49) v3(87.89,17.49) v3(90.94,17.49) v3(93.99,17.49) v3(97.04,17.49)
LOAD_LC0: length 6.5
  Top w0.35: 22.51,70.2 24.22,71.91 25.32,71.91
  Bottom w0.203: v4(9.86,72.59) 11.06,72.59 R2.1
  vias: v2(60.06,61.34) v2(61.41,61.34) v2(62.76,61.34) v4(9.86,69.89)
LOAD_LC1: length 12.9
  Top w0.203: D5.2 28.22,72.78 v1(28.22,72.82)
  Bottom w0.203: v4(9.81,67.44) 11.11,67.44 R3.1 ; v1(22.61,66.79) 22.81,66.79 28.22,72.2 v1(28.22,72.82)
  vias: v1(22.61,65.69) v1(22.61,64.59) v2(51.11,61.44) v2(52.46,61.44) v2(53.81,61.44) v4(9.81,64.74)
LOAD_LC2: length 16.3
  Top w0.203: 29.39,71.88 30.21,72.71 v1(30.21,72.78)
  Top w0.35: 29.39,71.92 29.39,71.88
  Bottom w0.203: 9.96,62.29 10.96,62.29 R7.1 ; v1(25.56,62.64) 25.56,63.49 30.21,68.14 v1(30.21,72.78)
  vias: v1(25.56,61.19) v1(25.56,59.74) v2(41.71,60.74) v2(43.41,61.64) v2(45.11,62.54) v4(9.81,62.29) v4(9.81,59.59)
LOAD_LC3: length 23.7
  Top w0.203: 31.42,71.9 31.67,71.9 v1(32.51,72.74)
  Bottom w0.203: R6.1 10.91,57.14 v4(9.81,57.14) ; v1(25.56,57.29) 26.96,57.29 28.61,58.94 28.61,63.54 32.51,67.44 v1(32.51,72.74)
  vias: v1(25.61,55.84) v1(25.61,54.39) v2(33.11,59.94) v2(33.11,58.84) v2(33.11,57.64) v4(9.81,54.44)
MUX_CUR_SENSE_A0: length 58.7
  Top w0.152: v1(72.86,51.24) 72.85,51.23 U6.10
  Top w0.203: 55.23,96.65 55.23,90.47 63.88,81.81 63.88,75.13 v1(62.28,73.53)
  Bottom w0.203: v1(72.86,51.24) 73.45,51.83 73.45,66.77 68.51,71.72 64.1,71.72 v1(62.28,73.53)
MUX_CUR_SENSE_A1: length 55.3
  Top w0.152: v1(72.91,49.89) 72.84,49.96 U6.11 ; v1(63.5,73.53) 63.5,73.74
  Top w0.203: 57.77,93.35 57.77,89.58 64.44,82.91 64.44,74.68 63.5,73.74
  Bottom w0.203: v1(72.91,49.89) 73.9,50.88 ; 73.91,50.88 73.91,67.1 ; v1(63.5,73.53) 64.92,72.11 68.89,72.11 73.9,67.1
MUX_CUR_SENSE_A2: length 58.2
  Top w0.152: U6.14 79.25,49.96 78.97,50.25 ; v1(66.85,73.53) 66.95,73.63
  Top w0.203: 60.31,96.65 61.9,96.65 64.26,94.28 64.26,86.59 66.95,83.9 66.95,73.63
  Bottom w0.203: v1(66.85,73.53) 67.22,73.16 69.31,73.16 74.75,67.72 ; 74.81,54.46 74.81,67.67 74.7,67.78 ; 78.97,50.25 74.81,54.4
  vias: v1(79,50.25)
MUX_CUR_SENSE_A3: length 54.9
  Top w0.152: U6.13 79.25,48.69 v1(79,48.94)
  Top w0.203: 62.85,93.35 62.85,86.99 66.5,83.34 66.5,74.32 v1(65.71,73.53)
  Bottom w0.203: 74.36,53.59 74.36,67.4 ; v1(79,48.94) 74.35,53.59 ; 74.35,67.4 69.16,72.59 66.65,72.59 v1(65.71,73.53)
MUX_INPUTS_A0: length 27.7
  Top w0.203: v1(26.88,92.46) 28.01,92.46 33.68,98.13 48.67,98.13 U3.15
  Bottom w0.203: v1(26.88,92.46) U5.10
MUX_INPUTS_A1: length 31
  Top w0.203: v1(42.61,79.84) 42.61,78.16 42.56,78.11
  Bottom w0.203: v1(42.61,79.84) 37.01,79.84 36.47,79.3 32.26,79.3 31.67,79.88 31.67,89.92 27.86,93.73 U5.11
MUX_INPUTS_A2: length 22.5
  Top w0.203: 45.1,81.41 43.87,81.41 v1(43.74,81.53)
  Bottom w0.203: U5.14 35.58,93.73 36.37,92.94 36.37,82.08 37.68,80.77 42.98,80.77 v1(43.74,81.53)
O_CANBH: length 10.6
  Top w0.203: v1(42.16,87.45) 42.98,86.63 Rrth1.2
  Bottom w0.203: C30.2 41.84,82.81 J6.3 41.84,87.13 v1(42.16,87.45) 42.98,88.27 U2.11
O_CANBL: length 11.5
  Top w0.203: Rrtl1.2 45.01,88.29 v1(43.76,89.53)
  Bottom w0.203: U2.12 42.98,89.53 J6.1 41.84,93.59
PDM_AD_INPUTS: length 28.4
  Top w0.203: 50.18,81.41 50.18,80.56 v1(49.49,79.87)
  Bottom w0.203: U5.1 28.36,78.09 48.69,78.09 49.49,78.89 v1(49.49,79.87)
SPI_CANC_SS: length 40.7
  Top w0.203: 85.71,96.65 85.71,89.62 81.43,85.34 71.16,85.34 v1(69.2,83.38)
  Bottom w0.203: J9.3 60.27,84.33 60.76,83.84 64.61,83.84 65.47,82.98 68.8,82.98 v1(69.2,83.38)
SPI_MISO: length 39
  Top w0.203: 80.63,96.65 82.86,96.65 84.48,95.02 84.48,90.47 81,87 71.25,87 v1(68.11,83.86)
  Bottom w0.203: v1(68.11,83.86) 65.16,83.86 64.78,84.24 61.11,84.24 59.47,85.88 59.47,86 J9.4
SPI_MOSI: length 27.1
  Top w0.203: v1(69.51,91.44) 71.71,91.44 72.01,91.74 72.01,94.4 72.35,94.75 76.69,94.75 78.09,93.35
  Bottom w0.203: J9.5 57.27,89.41 58.2,90.34 59.81,90.34 60.91,91.44 v1(69.51,91.44)
SPI_SCLK: length 27.1
  Top w0.203: v1(69.31,92.24) 71.61,94.54 71.61,94.57 72.18,95.15 81.36,95.15 83.17,93.35
  Bottom w0.203: v1(69.31,92.24) 68.81,92.74 59.39,92.74 J9.6
V_SENSE_HC0: length 108
  Top w0.152: U6.19 79.25,56.31 79.17,56.39
  Bottom w0.203: 69.57,75.65 69.26,75.96 26.55,75.96 ; 76.56,68.66 69.53,75.69 ; 26.56,75.96 16.89,66.29 16.89,54.25 R11.2 ; 76.62,58.49 76.62,68.61 ; 76.62,58.5 78.73,56.39 79.81,56.39 81.71,54.49 83.76,54.49 85.16,53.09 86.61,53.09 87.72,51.98 R13.1
  vias: v1(79,56.39)
V_SENSE_HC1: length 115.7
  Top w0.152: U6.18 79.25,55.04 79.17,55.12
  Bottom w0.203: 27.18,75.53 69,75.53 ; 76.17,57.61 78.66,55.12 79.17,55.12 ; 27.18,75.54 17.48,65.84 17.48,44.41 14.34,41.27 ; 69.02,75.53 76.07,68.48 ; R12.1 85.28,51.74 83.28,53.74 80.96,53.74 79.58,55.12 v1(79,55.12) ; 76.17,68.38 76.17,57.6
V_SENSE_HC2: length 125.7
  Top w0.152: U6.17 79.25,53.77 79.17,53.85
  Bottom w0.203: 75.71,57.09 78.98,53.81 79.81,53.81 80.61,53.02 82.39,53.02 R17.1 ; 69.05,74.9 68.84,75.11 27.72,75.11 ; 75.72,57.08 75.72,68.23 75.49,68.46 ; 27.72,75.11 27.49,74.88 ; 27.48,74.88 18.11,65.51 18.11,31.24 17.21,30.34 R15.2 ; 75.59,68.36 69.07,74.88
  vias: v1(79,53.85)
V_SENSE_HC3: length 133.9
  Top w0.152: 78.97,52.78 79.25,52.5 U6.16
  Bottom w0.203: 75.26,56.49 78.97,52.78 v1(79,52.78) 80.06,51.72 R16.1 ; 75.08,68.13 75.26,67.95 75.26,56.48 ; 75.15,68.06 68.53,74.68 28.3,74.68 18.71,65.09 18.71,21.28 16.97,19.54 R14.2
V_SENSE_LC0: length 86.1
  Top w0.152: v1(79,61.47) 79.08,61.39 U6.23
  Bottom w0.203: R4.1 82.64,60.74 81.91,61.47 v1(79,61.47) 78.43,62.04 78.43,69.44 70.22,77.66 ; 14.34,73.77 19.94,73.77 23.83,77.66 ; 23.83,77.66 70.21,77.66
V_SENSE_LC1: length 89.1
  Top w0.152: U6.22 79.25,60.12 79.17,60.2
  Bottom w0.203: 70.02,77.23 77.98,69.27 ; 77.98,69.27 77.98,61.01 ; 79.17,60.2 78.79,60.2 77.98,61.01 ; 24.61,77.24 70.01,77.24 ; v1(79,60.2) 80.93,60.2 82.42,58.7 R5.1 ; 24.61,77.24 16.11,68.74 R3.2
V_SENSE_LC2: length 93.3
  Top w0.152: U6.21 79.25,58.85 79.17,58.93
  Bottom w0.203: 14.34,63.67 15.62,64.95 15.62,67.21 25.22,76.81 ; 69.8,76.81 25.21,76.81 ; 77.49,69.11 69.79,76.81 ; 77.53,60.23 77.53,69.07 ; 77.52,60.23 78.82,58.93 79.97,58.93 82.23,56.67 R9.1
  vias: v1(79,58.93)
V_SENSE_LC3: length 98.6
  Top w0.152: 79.17,57.66 79.25,57.58 U6.20
  Bottom w0.203: 77.03,68.84 69.51,76.36 ; R6.2 16.28,60.51 16.28,66.81 25.85,76.38 ; R8.1 84.96,54.64 84.16,55.44 82.16,55.44 79.94,57.66 78.7,57.66 77.07,59.29 ; 69.48,76.38 25.86,76.38 ; 77.07,59.29 77.07,68.81
  vias: v1(79,57.66)
Net-(C15-Pad2): length 44
  Bottom w0.203: U2.14 46.11,92.44 C15.2 45.03,93.98 44.5,94.51 44.5,96.49 45.8,97.79 48.06,97.79 52.73,93.12 58.32,93.12 59.11,93.9 59.13,93.88 68.67,93.88 70.38,92.17 70.38,84.24 R1.2
Net-(D4-Pad1): length 1.8
  Top w0.35: 25.32,73.96 R39.2
Net-(D5-Pad1): length 1.8
  Top w0.35: D5.1 R40.2
Net-(D6-Pad1): length 1.8
  Top w0.35: 31.42,73.95 R41.2
Net-(D7-Pad1): length 1.8
  Top w0.35: 29.39,73.97 R42.2
Net-(D8-Pad2): length 2.4
  Top w0.203: v1(25.71,50.14) 25.81,50.14 D8.2
  Bottom w0.203: v1(25.71,50.14) 25.11,50.74 R43.1
Net-(D9-Pad2): length 2.5
  Top w0.203: D9.2 23.63,50.24 v1(23.51,50.24)
  Bottom w0.203: R44.1 23.01,50.74 v1(23.51,50.24)
Net-(D10-Pad2): length 1.8
  Top w0.203: v1(30.21,50.34) 30.73,49.82 D10.2
  Bottom w0.203: v1(30.21,50.34) 29.83,50.72 29.74,50.72
Net-(D11-Pad2): length 2.3
  Top w0.203: D11.2 28.65,49.5 v1(27.91,50.24)
  Bottom w0.203: v1(27.91,50.24) 27.41,50.74 R46.1
Net-(D14-Pad2): length 2
  Top w0.5: 94.74,87.66 92.77,87.66
Net-(D15-Pad2): length 2
  Top w0.203: R19.1 93.64,77.22 D15.2
Net-(Rrth1-Pad1): length 4.3
  Top w0.203: v1(43.87,83.82) 43.07,84.61 Rrth1.1
  Bottom w0.203: v1(43.87,83.82) 43.87,84.2 44.12,84.45 U2.8
Net-(Rrtl1-Pad1): length 2.4
  Top w0.203: v1(45.16,85.52) 45.01,85.37 Rrtl1.1
  Bottom w0.203: U2.9 45.36,85.72 v1(45.16,85.52)
Net-(Rs1-Pad2): length 5.2
  Bottom w0.25: 51.42,84.45 51.11,84.45 47.87,81.22 Rs1.2

## Copper pours and planes (outline as drawn; the poured copper is in the pictures)
+3V3 on In1.Cu: 102.67,33.66 63.41,33.59 63.41,36.69 96.7,36.7 96.7,61.59 102.16,62.23
+3V3 on In1.Cu: 103.56,58.17 67.23,58.17 67.23,74.3 -1.35,74.55 -1.35,100.71 103.17,101.22
+3V3 on In1.Cu: 71.76,43.69 57.07,43.69 57.07,45.72 67.3,45.72 67.3,58.29 67.23,62.23 71.76,62.23
+5V on In1.Cu: 55.17,86.23 98.6,86.87 98.73,81.15 91.75,81.15 88.7,82.68 79.93,82.68 79.93,72.52 76.25,72.52 72.31,81.53 68.89,81.53 61.27,78.23 55.17,78.23 51.55,80.58 48.56,84.96 42.6,86.74 42.6,91.69 47.17,91.82
GND on Top, Bottom: 7.68,0.31 -0.07,0.31 -0.07,7.79 7.68,7.79
GND on Top, Bottom: 99.84,0.49 92.09,0.49 92.09,7.97 99.84,7.97
GND on Top, Bottom: 7.86,92.39 0.11,92.39 0.11,99.86 7.86,99.86
GND on Top, Bottom: 103.3,-4.32 -3.25,-4.32 -3.38,102.87 103.3,103.38
GND on Top, Bottom, In2.Cu: 99.91,92.61 92.16,92.61 92.16,100.09 99.91,100.09
GND on Bottom: 101.06,60.56 80.06,60.58 80.06,73.91 101.19,73.9
GND on In2.Cu: -0.84,101.73 101.91,101.47 102.03,-1.78 -1.98,-1.78 -0.84,101.73 -1.09,101.73 -0.84,101.73
+BATT on Top: 85.66,47.64 85.66,60.26 100.86,60.26 100.74,35.45 33.83,35.41 33.83,44.12 67.87,44.14
+BATT on In1.Cu: 33.54,38.9 31.38,38.96 30.37,40.65 30.42,54.47 33.66,56.22
+BATT on In1.Cu: 102.77,33.16 31.4,32.98 31.47,45.61 69.36,45.48 69.42,57.89 103.4,58.25
+BATT on In1.Cu: 51.34,44.96 49.62,44.95 49.62,57.42 51.39,57.42
+BATT on In1.Cu: 42.72,45.47 40.69,45.47 40.69,57.4 42.72,57.4
+BATT on In1.Cu: 103.83,-3.53 -3.04,-3.53 -3.04,72.53 103.83,72.53
/SENSE-_HC0 on Top, In1.Cu: 48,21.84 31.39,21.84 31.39,34.16 47.99,34.17
/SENSE-_HC1 on Top, In1.Cu: 64.87,21.78 48.18,21.8 48.18,34.16 64.85,34.19
/SENSE-_HC2 on Top, In1.Cu: 82.25,21.82 65.28,21.82 65.25,34.18 82.27,34.19
/SENSE-_HC3 on Top, In1.Cu: 101.65,21.82 82.73,21.82 82.72,34.17 101.66,34.19
/SENSE-_LC0 on Top, In1.Cu: 67.32,45.08 60.12,45.08 60.12,56.74 67.32,56.74
/SENSE-_LC1 on Top, In1.Cu: 58.56,45.1 51.23,45.11 51.23,56.81 58.58,56.82
/SENSE-_LC2 on Top, In1.Cu: 49.71,45.16 42.71,45.25 42.72,50.16 42.72,56.81 49.71,56.81
/SENSE-_LC3 on Top, In1.Cu: 40.82,50.16 40.82,45.15 33.84,45.15 33.83,50.16 33.84,56.82 40.82,56.81
LOAD_HC0 on Top, In1.Cu: 30.96,39.09 30.99,21.47 47.9,21.6 47.85,16.43 45.24,15.39 27.43,15.39 25.69,19.98 25.68,36.22 18.14,41.43 3.24,41.48 3.23,51.44 19.96,51.44
LOAD_HC1 on Top, In1.Cu: 25.25,36.04 25.22,19.91 27.23,14.99 45.49,14.96 48.16,16.05 48.18,21.51 64.85,21.51 64.85,12.19 61.26,10.11 22.91,10.04 19.18,19.58 19.15,29.54 17.68,30.56 3.15,30.66 3.23,41.15 17.96,41.12
LOAD_HC2 on Top, In1.Cu: 18.82,29.36 18.82,19.53 22.61,9.64 61.65,9.65 65.28,11.84 65.26,21.52 82.25,21.51 82.25,6.35 79.17,5.08 15.9,5.16 11.99,19.61 3.23,19.63 3.2,30.2 17.42,30.2
LOAD_HC3 on Top, In1.Cu: 100.51,-0.51 3.1,-0.89 3.23,19.28 11.79,19.23 15.6,4.83 79.3,4.57 82.68,6.1 82.68,21.51 100.51,21.51
LOAD_LC0 on Top, In1.Cu: 24.49,70.84 57.91,70.84 63.71,65.44 63.68,57.09 59.91,57.09 58.71,61.64 55.21,64.94 51.11,67.84 21.71,67.84 18.97,68.88 3.43,68.88 3.43,73.63 20.37,73.63
LOAD_LC1 on Top, In1.Cu: 21.71,67.44 50.91,67.44 54.91,64.64 54.92,57.19 51.36,57.19 47.81,64.41 30.01,64.44 26.41,63.74 18.72,63.75 3.43,63.75 3.43,68.61 18.87,68.61
LOAD_LC2 on Top, In1.Cu: 46.3,62.64 46.3,57.12 42.71,57.14 41.01,60.34 37.01,61.19 30.71,61.19 25.86,58.44 3.48,58.47 3.51,63.47 26.81,63.45 30.51,64.14 45.19,64.11
LOAD_LC3 on Top, In1.Cu: 36.96,57.01 33.83,57.02 27.36,53.57 19.36,53.57 17.32,53.62 3.48,53.59 3.43,58.12 25.76,58.09 30.71,60.84 37.01,60.84

## Text on the board
B.Silkscreen: 10k | 36k | 10u | brenonsantos/OpenPDM | OPDM - V0.1 - 07 Mar. 23 | 1k8 | INPUT MUX | L | H | LC3 | LC GATE DRIVER | 150p | GND | LC2 | .1u | CANB | CLK | MI / SO | LC1 | SPI2 | HC GATE DRIVER | INT | SS | 5V | MOSI | 12V | 3V3 | INA180A2 / G=50 | LC0 | INA180A3 / G=100 | 100k | bibi | TVS | M4 | 5V LDO | HC0 | HC1 | HC2 | HC3 | -3V3
